# Altium PCB PCB1.PcbDoc (part 1 of 2)
Units mil, origin at the board's own origin, x right, y up, seen from the top; angles counter-clockwise.
Board outline 8167.88 x 5913.39 mil, 2 copper layers (TOPLAYER, BOTTOMLAYER); 164 components, 80 nets, 399 pads, 1383 vias.
Unrouted connection lines stored in the file: 647.
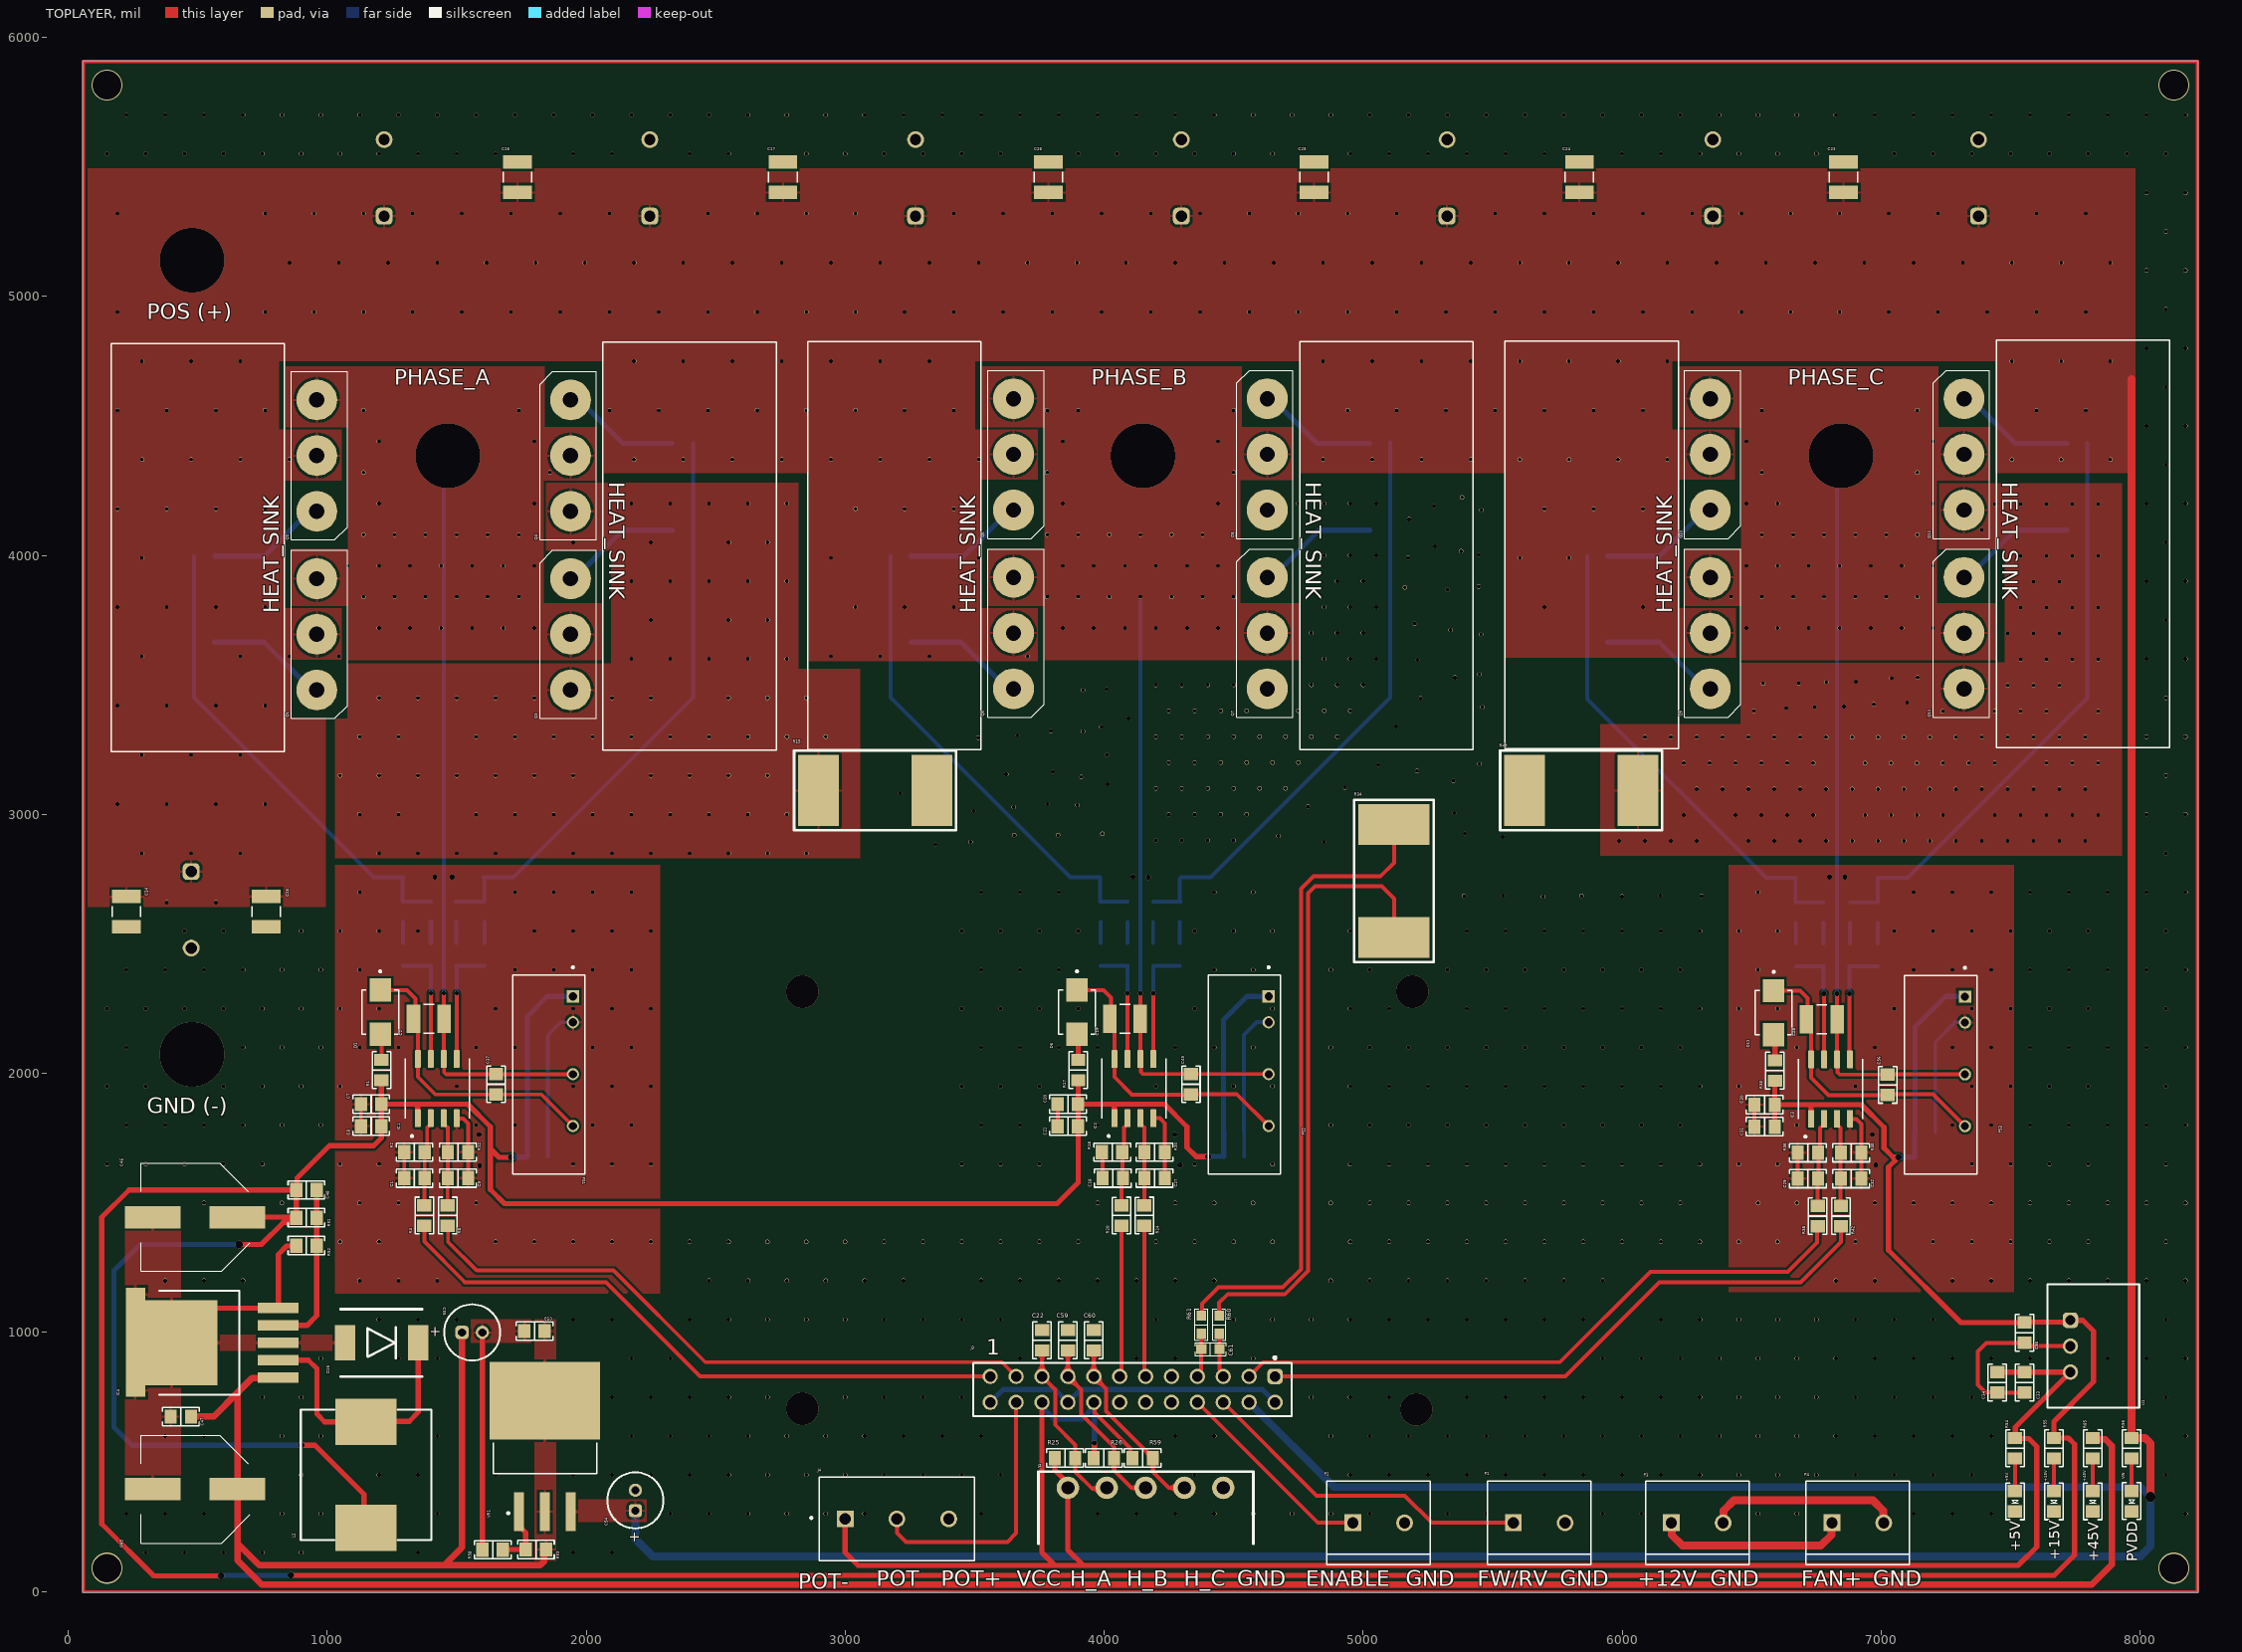
[diagram p0: TOPLAYER view]
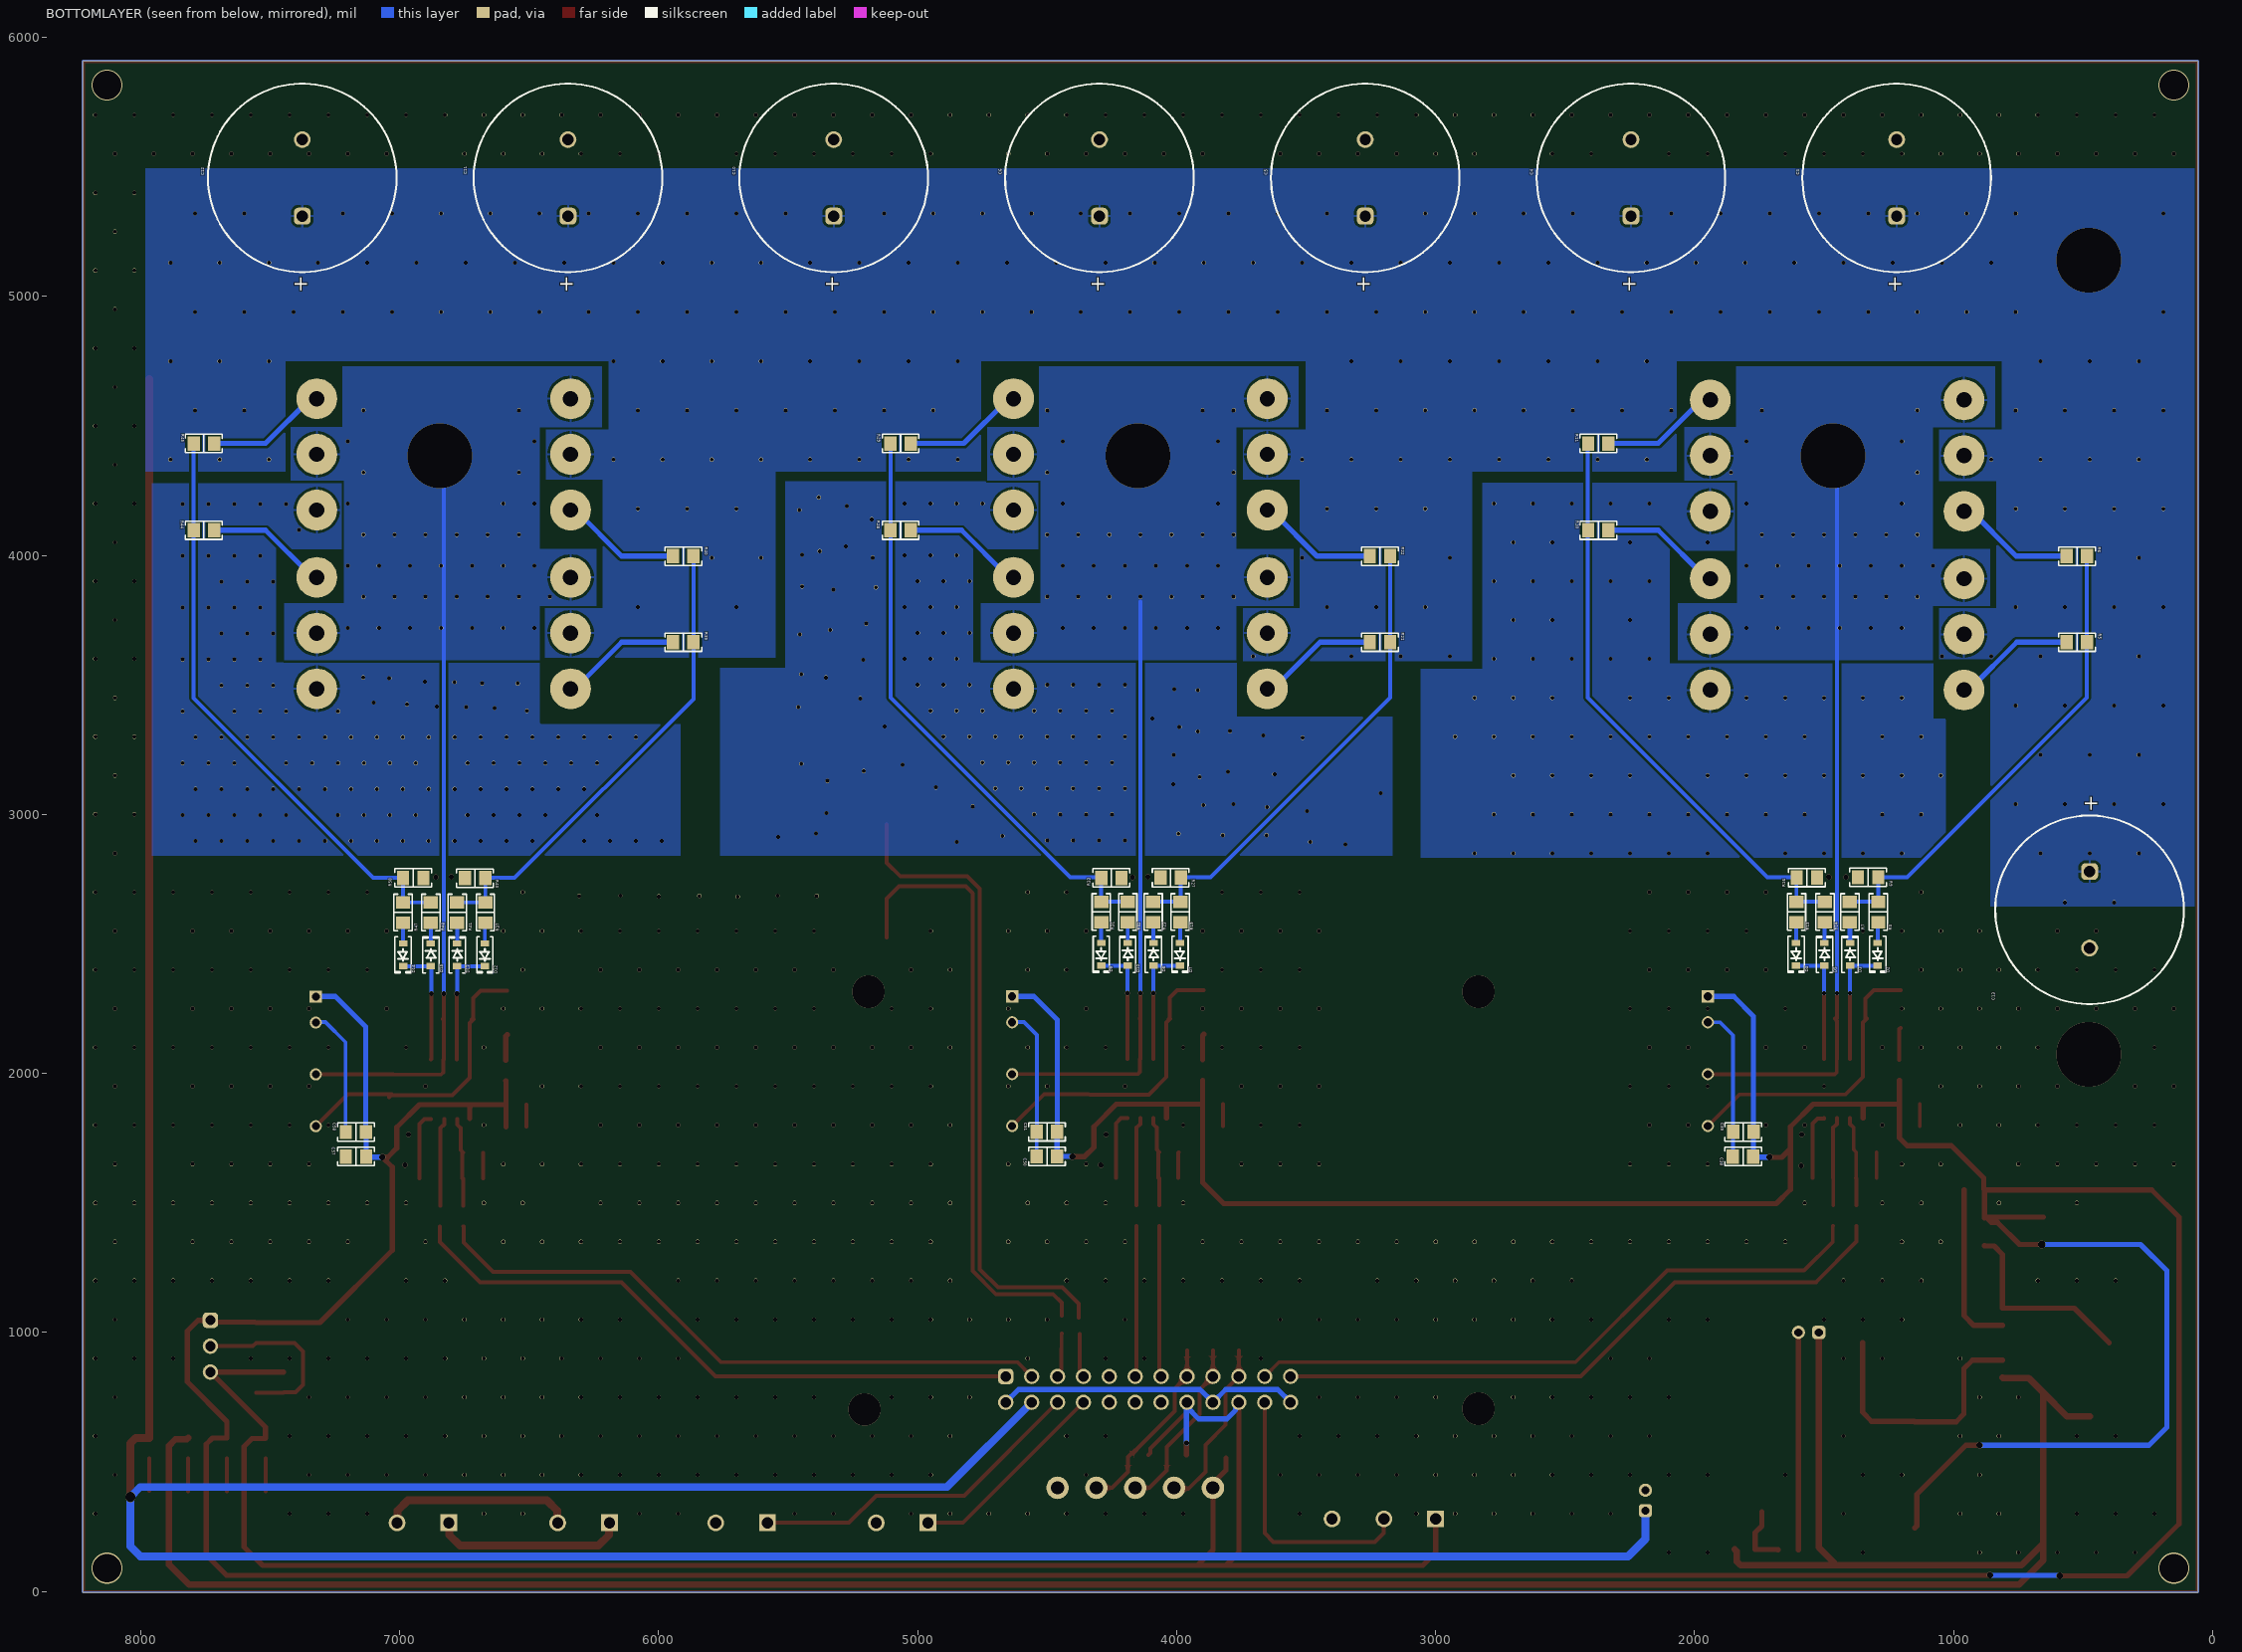
[diagram p1: BOTTOMLAYER view, seen from below]
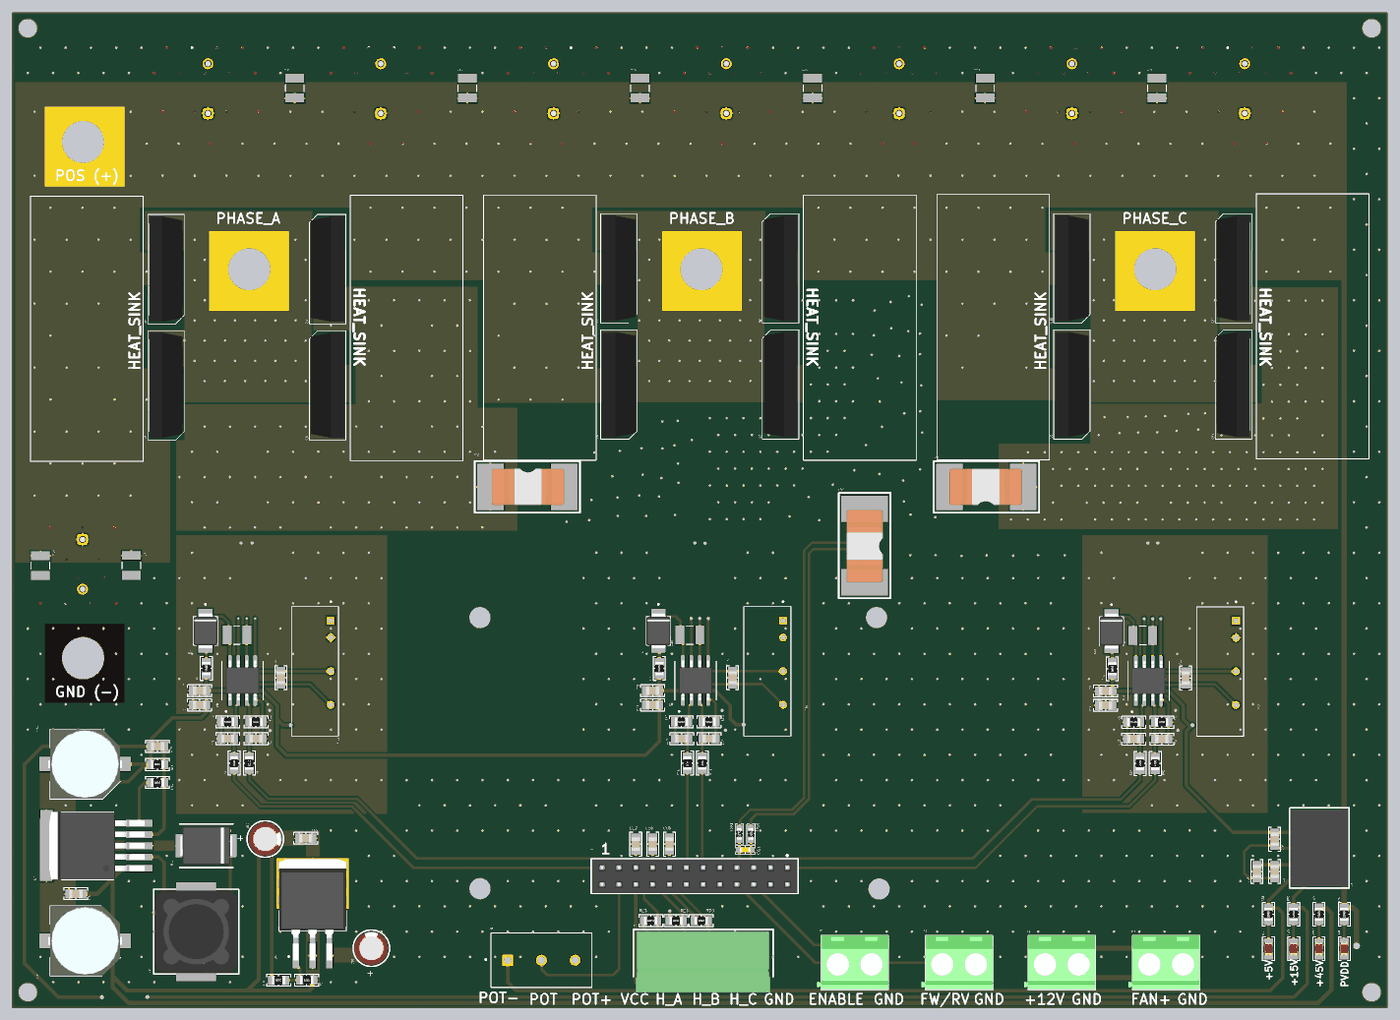
[diagram p3: 3D render of the assembled board from above, using the file's embedded part models]
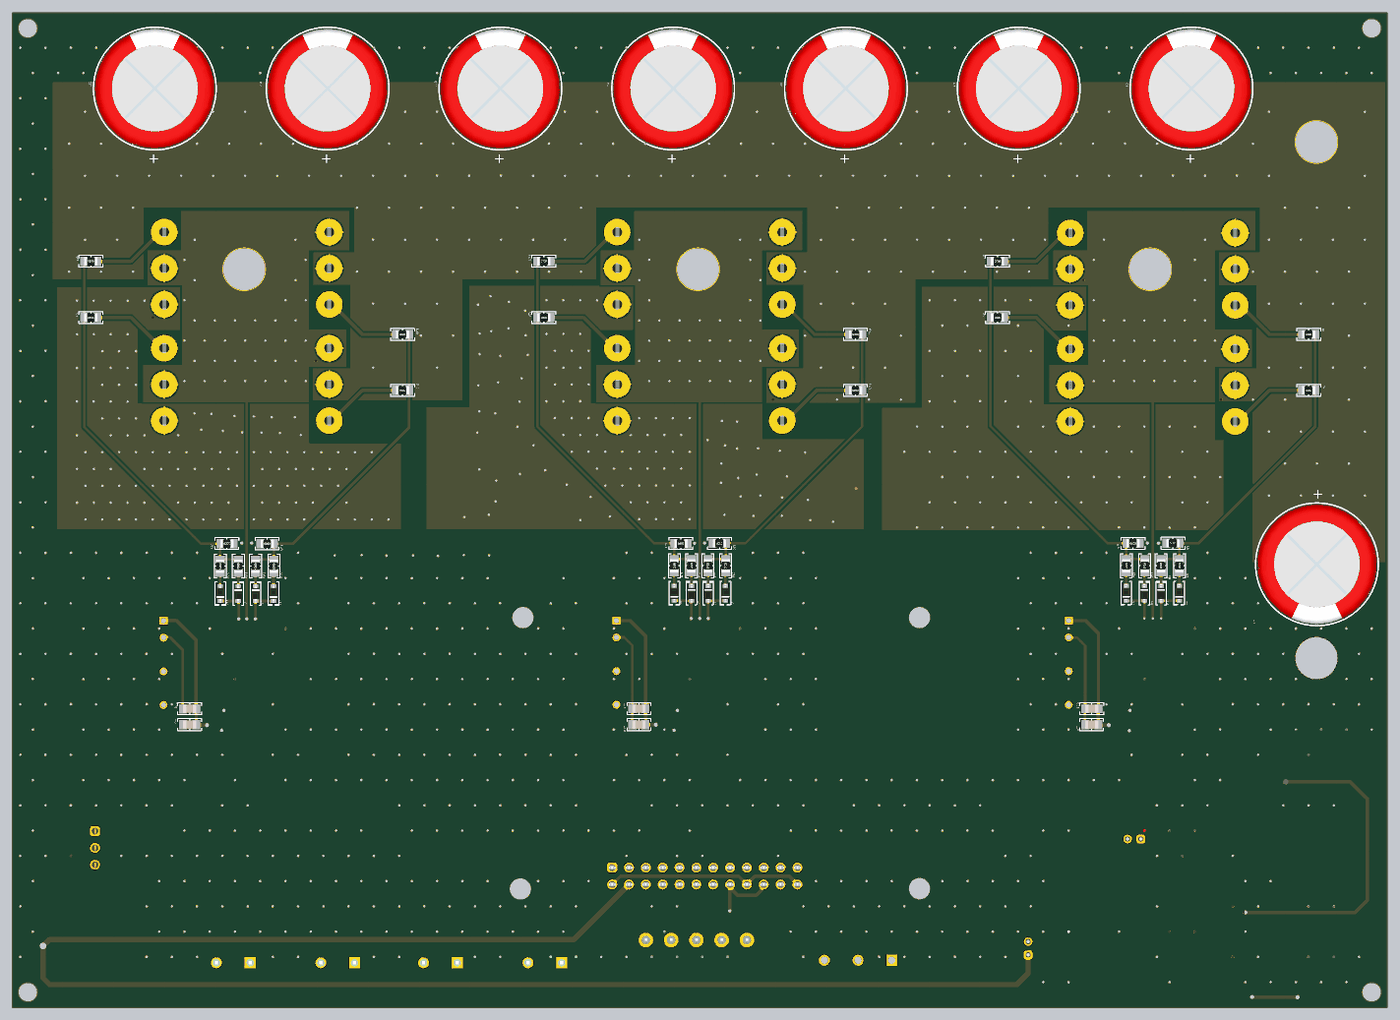
[diagram p4: 3D render of the assembled board from below, using the file's embedded part models]

## Layer stack, top to bottom
Top Solder: solder mask 0.4, Solder Resist, Dk 3.5
TOPLAYER: signal copper 1.4
Dielectric 1: dielectric 12.6, FR-4, Dk 4.8
BOTTOMLAYER: signal copper 1.4
Bottom Solder: solder mask 0.4, Solder Resist, Dk 3.5

## Board outline
56.06,0 ccw(c60,0) 60,-3.94 8220,-3.94 ccw(c8220,0) 8223.94,0 8223.94,5905.51 ccw(c8220,5905.51) 8220,5909.45 60,5909.45 ccw(c60,5905.51) 56.06,5905.51

## Design rules (kind name [scope] priority, off if disabled: settings)
Clearance "Clearance PCB" [All] p1: gap=10 ignorepadtopadclearanceinfootprint=FALSE except(0: Arc-Hole Track-Hole SMDPad-Hole THPad-Hole Via-Hole Fill-Hole Poly-Hole Region-Hole Text-Hole; 7.99: Arc-Arc Arc-Track Arc-SMDPad Track-Track Track-SMDPad; 20: Hole-Hole)
Height [All] p1: minheight=0 maxheight=1500 prefheight=500
HoleSize [All] p1: absolutevalues=TRUE maxlimit=1968.5 minlimit=1 maxpercent=80.000 minpercent=20.000
HoleToHoleClearance [All] p1: gap=19.68 allowstackedmicrovias=TRUE
MinimumSolderMaskSliver [All] p1: minsoldermaskwidth=5
PlaneConnect [All] p1: planeconnectstyle=Direct reliefexpansion=20 reliefentries=4 reliefconductorwidth=10 reliefairgap=10
PolygonConnect [All] p1: thpad.connectstyle=Relief thpad.reliefconductorwidth=10 thpad.reliefentries=4 thpad.polygonreliefangle="90 Angle" thpad.airgapwidth=10 smdpad.connectstyle=Relief smdpad.reliefconductorwidth=10 smdpad.reliefentries=4 smdpad.polygonreliefangle="90 Angle" smdpad.airgapwidth=10 via.connectstyle=Direct via.reliefconductorwidth=10 via.reliefentries=4 via.polygonreliefangle="90 Angle" via.airgapwidth=10
RoutingLayers "Routing Layers From Layer Stack" [All] p1: top layer_v5=TRUE bottom layer_v5=TRUE
RoutingTopology "RoutingTopology PCB" [All] p1: topology=Shortest
RoutingTopology [All] p2: topology=Shortest
RoutingVias "PCB Via style VIA2_TB" [All] p1: holewidth=8 width=16 viastyle="Through Hole" minholewidth=8 minwidth=16 maxholewidth=8 maxwidth=16
RoutingVias "PCB Via style VIA1_TB" [All] p2: holewidth=62.99 width=125.98 viastyle="Through Hole" minholewidth=62.99 minwidth=125.98 maxholewidth=62.99 maxwidth=125.98
RoutingVias "PCB Via style VIA0_TB_ROUTINGVIAS" [All] p3: holewidth=7.5 width=15 viastyle="Through Hole" minholewidth=7.5 minwidth=15 maxholewidth=7.5 maxwidth=15
ShortCircuit [All] p1 off: allowed=FALSE
SilkToSilkClearance [All] p1: silktosilkclearance=0
SilkToSolderMaskClearance [IsText] p1: minsilkscreentomaskgap=0 clearancetoexposedcopper=TRUE
SolderMaskExpansion [All] p1: expansion=4 istentingtop=FALSE
SupplyNets "Schematic Supply Nets" [InNet('GND')] p1: voltage=0.000
Width "Width PCB" [All] p1: maxlimit=39.37 minlimit=8 preferedwidth=10 minimp=50.000000 maximp=50.000000 favimp=50.000000
20 further rules are at their usual default settings.

## Classes and differential pairs
component class Regulator: +5V +15V +45V C33 C34 C36 C37 C38 C39 C45 C46 C47 C48 C49 C50 C51 C53 C54 C55 C56 C57 C58 D16 IC4 L2 PS1 PS2 PS3 R51 R52 R53 R54 R55 R56 R58 R85 U1 VIN VR1
component class Power: C1 C2 C3 C4 C5 C6 C7 C8 C9 C10 C11 C12 C13 C14 C15 C16 C17 C18 C19 C20 C21 C22 C23 C24 C25 C26 C27 C28 C29 C30 C31 C32 C59 C60 C61 D1 D2 D3 D4 D5 D6 D7 D8 D9 D10 D11 D12 D13 D14 D15 IC1 IC2 IC3 J2 J3 J4 m P1 P2 P3 P4 Q1 Q2 Q3 Q4 Q5 Q6 Q7 Q8 Q9 Q10 Q11 Q12 R1 R2 R3 R4 R5 R6 R7 R8 R9 R10 R11 R12 R13 R14 R15 R16 R17 R18 R19 R20 R21 R22 R23 R24 R25 R26 R27 R28 R29 R30 R31 R32 R33 R34 R35 R36 R37 R38 R39 R40 R41 R42 R43 R44 R45 R46 R47 R48 R49 R50 R59 R60 R61
